# Altium PCB Audio-Beamformer_V1.0.PcbDoc (part 3 of 11)
Units mm, origin at the board's own origin, x right, y up, seen from the top; angles counter-clockwise.
Board outline 300 x 376 mm, 2 copper layers (Top Layer, Bottom Layer), stack 1.548 mm thick; 1137 components, 629 nets, 3569 pads, 2808 vias.
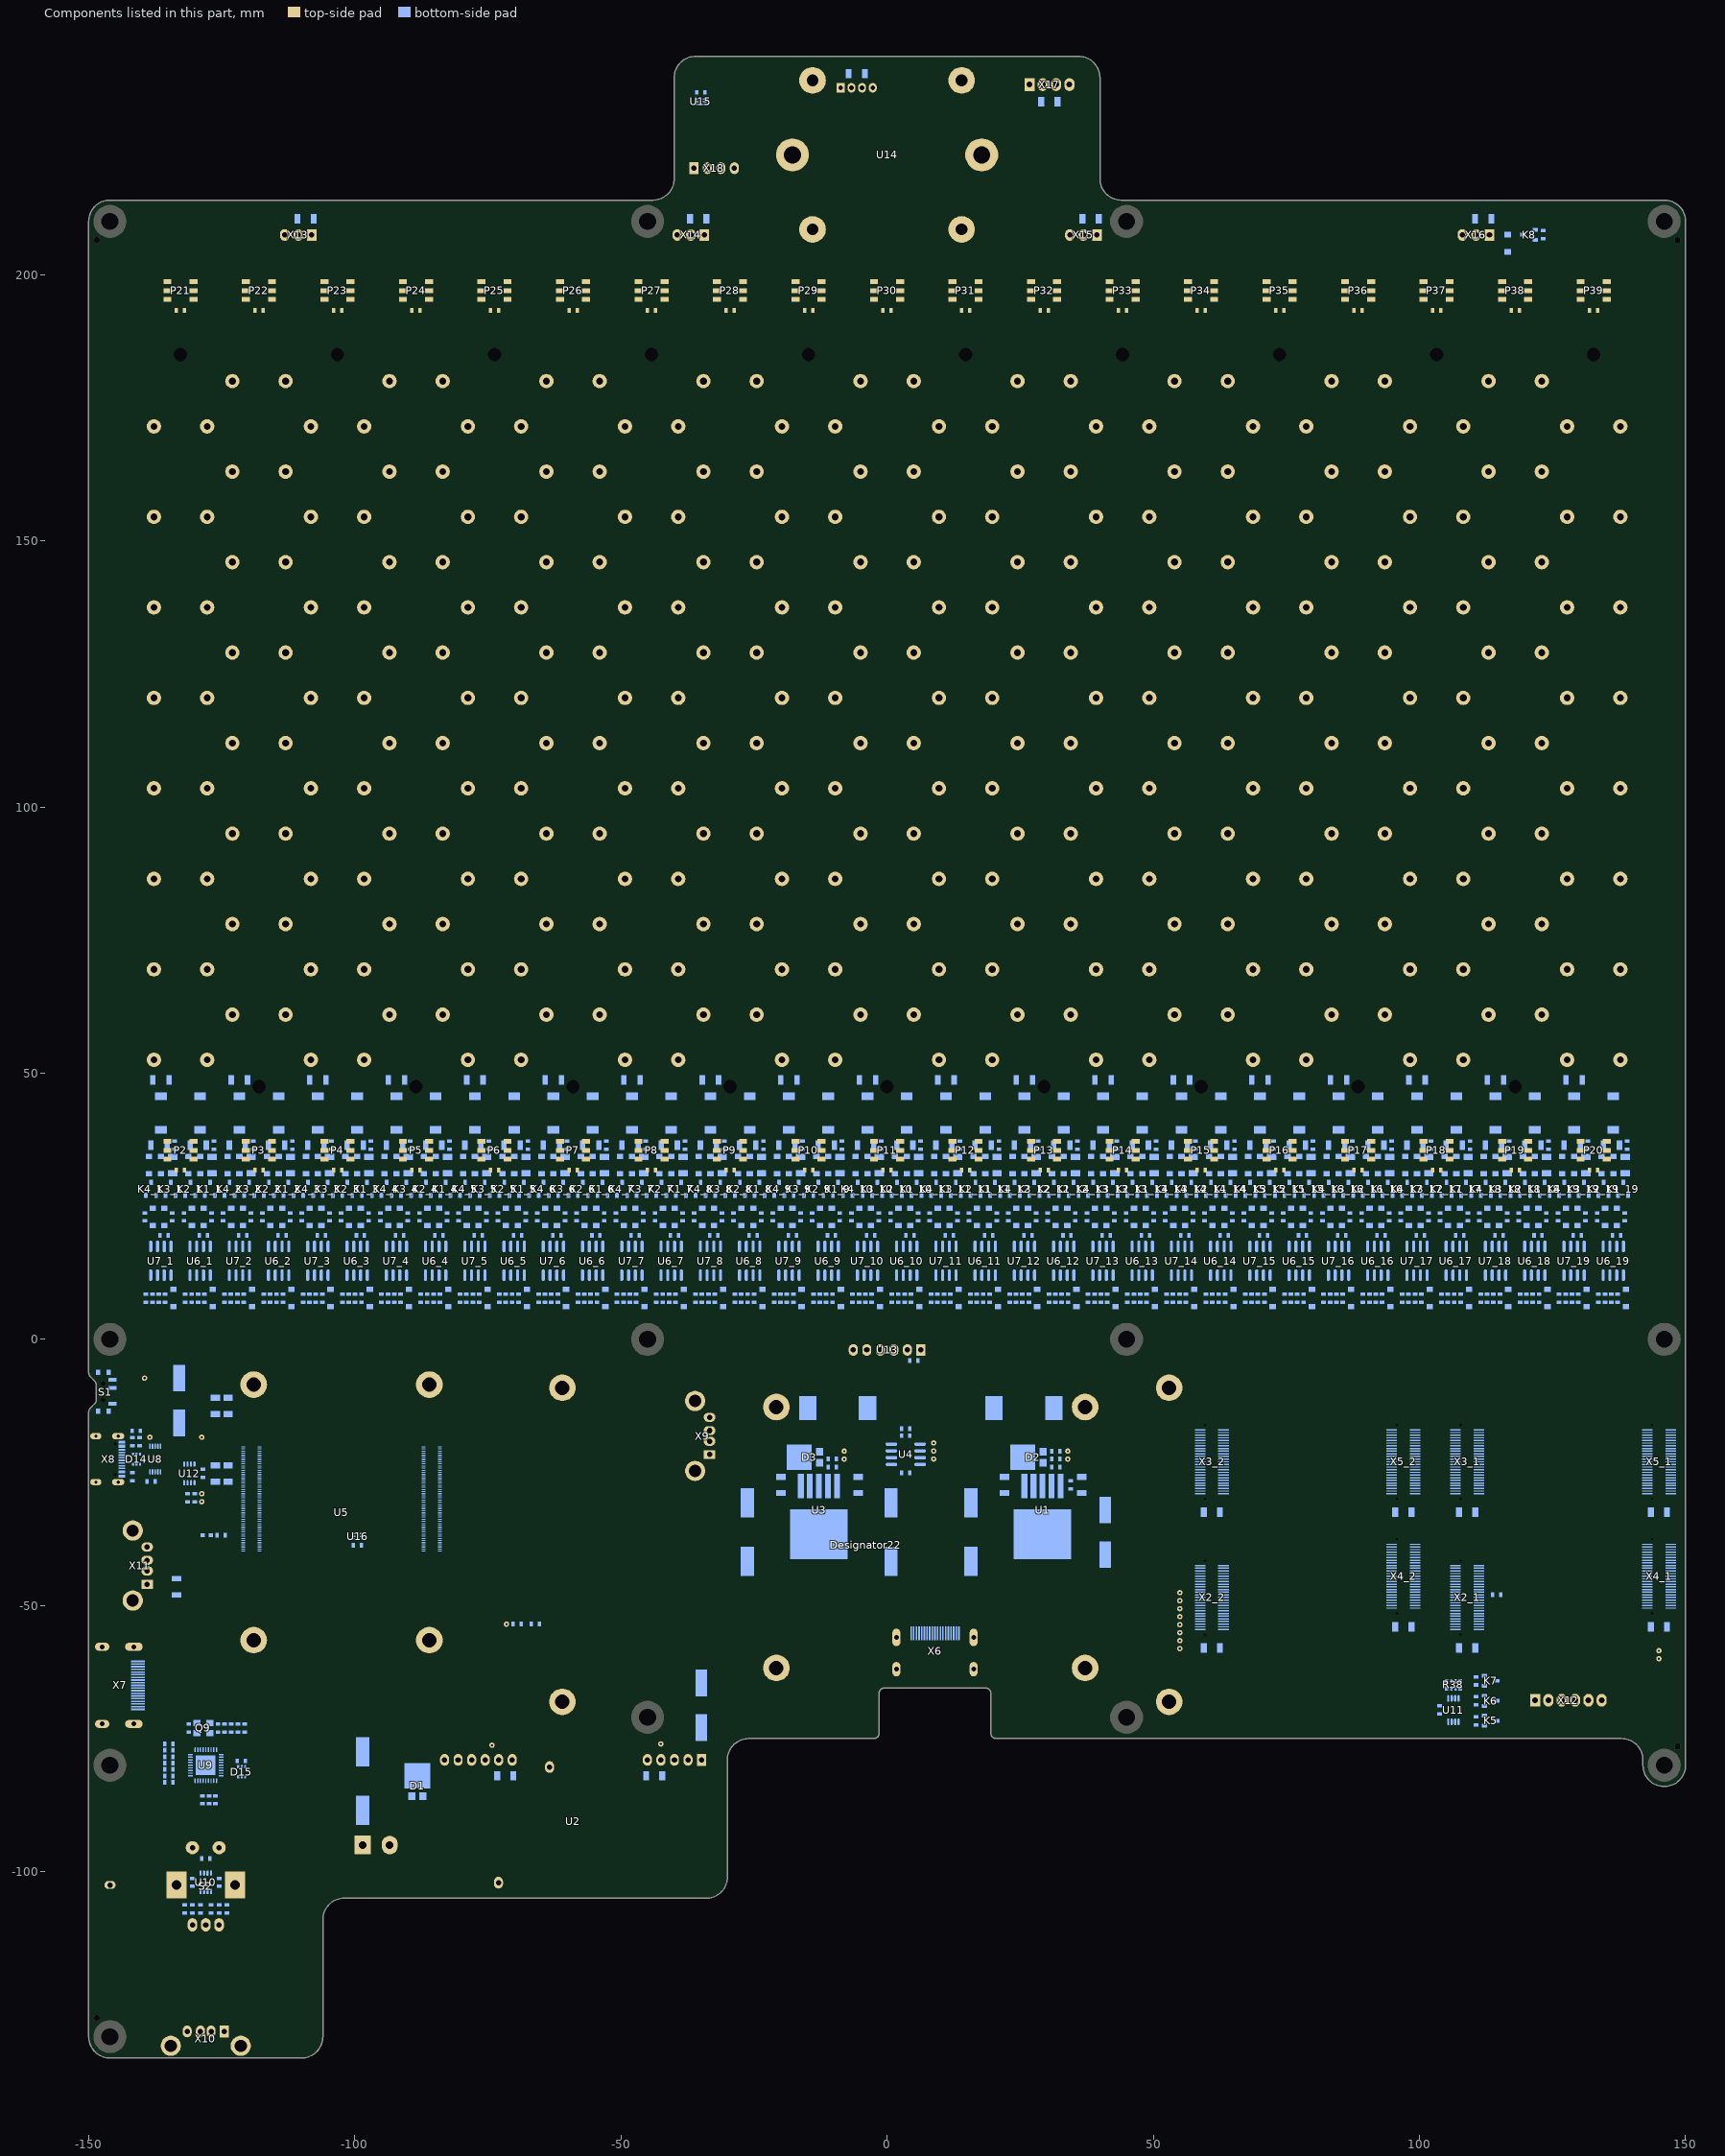
[diagram p3: the components of this part, seen from the top]

## Components (designator, comment, footprint, x,y, rotation, side; value= is the part's Value field where it differs from the comment) (continued)
R22_5 "10k" "SMD Widerstand 0603" -79.025,7.75 r90 bottom (schematic designator R22)
R22_6 "10k" "SMD Widerstand 0603" -64.275,7.75 r90 bottom (schematic designator R22)
R22_7 "10k" "SMD Widerstand 0603" -49.525,7.75 r90 bottom (schematic designator R22)
R22_8 "10k" "SMD Widerstand 0603" -34.775,7.75 r90 bottom (schematic designator R22)
R22_9 "10k" "SMD Widerstand 0603" -20.025,7.75 r90 bottom (schematic designator R22)
R22_10 "10k" "SMD Widerstand 0603" -5.275,7.75 r90 bottom (schematic designator R22)
R22_11 "10k" "SMD Widerstand 0603" 9.475,7.75 r90 bottom (schematic designator R22)
R22_12 "10k" "SMD Widerstand 0603" 24.225,7.75 r90 bottom (schematic designator R22)
R22_13 "10k" "SMD Widerstand 0603" 38.975,7.75 r90 bottom (schematic designator R22)
R22_14 "10k" "SMD Widerstand 0603" 53.725,7.75 r90 bottom (schematic designator R22)
R22_15 "10k" "SMD Widerstand 0603" 68.475,7.75 r90 bottom (schematic designator R22)
R22_16 "10k" "SMD Widerstand 0603" 83.225,7.75 r90 bottom (schematic designator R22)
R22_17 "10k" "SMD Widerstand 0603" 97.975,7.75 r90 bottom (schematic designator R22)
R22_18 "10k" "SMD Widerstand 0603" 112.725,7.75 r90 bottom (schematic designator R22)
R22_19 "10k" "SMD Widerstand 0603" 127.475,7.75 r90 bottom (schematic designator R22)
R23_1 "10" "SMD Widerstand 0603" -139.475,23 r270 bottom (schematic designator R23)
R23_2 "10" "SMD Widerstand 0603" -124.725,23 r270 bottom (schematic designator R23)
R23_3 "10" "SMD Widerstand 0603" -109.975,23 r270 bottom (schematic designator R23)
R23_4 "10" "SMD Widerstand 0603" -95.225,23 r270 bottom (schematic designator R23)
R23_5 "10" "SMD Widerstand 0603" -80.475,23 r270 bottom (schematic designator R23)
R23_6 "10" "SMD Widerstand 0603" -65.725,23 r270 bottom (schematic designator R23)
R23_7 "10" "SMD Widerstand 0603" -50.975,23 r270 bottom (schematic designator R23)
R23_8 "10" "SMD Widerstand 0603" -36.225,23 r270 bottom (schematic designator R23)
R23_9 "10" "SMD Widerstand 0603" -21.475,23 r270 bottom (schematic designator R23)
R23_10 "10" "SMD Widerstand 0603" -6.725,23 r270 bottom (schematic designator R23)
R23_11 "10" "SMD Widerstand 0603" 8.025,23 r270 bottom (schematic designator R23)
R23_12 "10" "SMD Widerstand 0603" 22.775,23 r270 bottom (schematic designator R23)
R23_13 "10" "SMD Widerstand 0603" 37.525,23 r270 bottom (schematic designator R23)
R23_14 "10" "SMD Widerstand 0603" 52.275,23 r270 bottom (schematic designator R23)
R23_15 "10" "SMD Widerstand 0603" 67.025,23 r270 bottom (schematic designator R23)
R23_16 "10" "SMD Widerstand 0603" 81.775,23 r270 bottom (schematic designator R23)
R23_17 "10" "SMD Widerstand 0603" 96.525,23 r270 bottom (schematic designator R23)
R23_18 "10" "SMD Widerstand 0603" 111.275,23 r270 bottom (schematic designator R23)
R23_19 "10" "SMD Widerstand 0603" 126.025,23 r270 bottom (schematic designator R23)
R24 "5.1k" "SMD Widerstand 0603" -140.4,-19.2 r270 bottom
R25 "5.1k" "SMD Widerstand 0603" -141.1,-17.2 r180 bottom
R26 "5.1k" "SMD Widerstand 0603" -141.8,-25.8 r270 bottom
R27 "5.1k" "SMD Widerstand 0603" -141.8,-19.2 r90 bottom
R28 "36k" "SMD Widerstand 0603" -134.9,-79.6 r0 bottom
R29 "36k" "SMD Widerstand 0603" -134.9,-77.2 r0 bottom
R30 "36k" "SMD Widerstand 0603" -134.9,-80.8 r0 bottom
R31 "36k" "SMD Widerstand 0603" -134.9,-83.2 r0 bottom
R32 "12k" "SMD Widerstand 0603" -121.95,-73 r270 bottom
R33 "10k" "SMD Widerstand 0603" -125.5,-102 r90 bottom
R34 "10k" "SMD Widerstand 0603" -132,-107 r90 bottom
R35 "10k" "SMD Widerstand 0603" -124,-107 r90 bottom
R36 "10k" "SMD Widerstand 0603" -130.5,-107 r270 bottom
R37 "10k" "SMD Widerstand 0603" -125.5,-107 r270 bottom
R38 "100" "SMD Widerstand Array 4-Fach 0603" 106.4,-64.9 r0 bottom
R39 "10k" "SMD Widerstand 0603" 110.65,-71.65 r270 bottom
R40 "10k" "SMD Widerstand 0603" 110.65,-67.9 r270 bottom
R41 "10k" "SMD Widerstand 0603" 110.65,-64.15 r270 bottom
R42 "10k" "SMD Widerstand 0603" 123.3,207.5 r90 bottom
R43 "10k" "SMD Widerstand 0603" -130.1,-29.8 r90 bottom
R44 "10k" "SMD Widerstand 0603" -131.4,-29.8 r90 bottom
S1 "PCM12SMTR" "SMD Switch SPDT (PCM12SMTR)" -147.25,-9.85 r270 bottom
S2 "PEC11R-4025F-S0024" "THT Rotary Encoder with Switch" -128,-102.5 r0 top
TP1 "X-TP" "THT Testpunkt Ø1mm" 145,-60 r90 bottom
TP2 "X-TP" "THT Testpunkt Ø1mm" 145,-58.5 r90 bottom
TP3 "X-TP" "THT Testpunkt Ø1mm" 33.95,-22.5 r90 bottom
TP4 "X-TP" "THT Testpunkt Ø1mm" -74.23,-76.26 r90 bottom
TP5 "X-TP" "THT Testpunkt Ø1mm" -42.5,-76 r90 bottom
TP6 "X-TP" "THT Testpunkt Ø1mm" 33.95,-21 r90 bottom
TP7 "Schwarz" "THT Messpunkt Ø2.54mm Schwarz" -146,-102.5 r90 bottom
TP8 "X-TP" "THT Testpunkt Ø1mm" -8.05,-22.5 r90 bottom
TP9 "X-TP" "THT Testpunkt Ø1mm" -8.05,-21 r90 bottom
TP10 "X-TP" "THT Testpunkt Ø1mm" -71.5,-53.5 r90 bottom
TP11 "X-TP" "THT Testpunkt Ø1mm" 55,-49.1 r90 bottom
TP12 "X-TP" "THT Testpunkt Ø1mm" -139.5,-7.3 r90 bottom
TP13 "X-TP" "THT Testpunkt Ø1mm" -128.75,-18.4 r90 bottom
TP14 "X-TP" "THT Testpunkt Ø1mm" 55,-47.6 r90 bottom
TP15 "X-TP" "THT Testpunkt Ø1mm" 55,-58.1 r180 bottom
TP16 "X-TP" "THT Testpunkt Ø1mm" 55,-53.6 r180 bottom
TP17 "X-TP" "THT Testpunkt Ø1mm" 55,-56.6 r180 bottom
TP18 "X-TP" "THT Testpunkt Ø1mm" 55,-52.1 r180 bottom
TP19 "X-TP" "THT Testpunkt Ø1mm" 55,-55.1 r180 bottom
TP20 "X-TP" "THT Testpunkt Ø1mm" 55,-50.6 r180 bottom
TP21 "X-TP" "THT Testpunkt Ø1mm" 8.75,-19.475 r0 bottom
TP22 "X-TP" "THT Testpunkt Ø1mm" -128.75,-30.5 r90 bottom
TP23 "X-TP" "THT Testpunkt Ø1mm" 8.75,-20.975 r0 bottom
TP24 "X-TP" "THT Testpunkt Ø1mm" -128.75,-29 r90 bottom
TP25 "X-TP" "THT Testpunkt Ø1mm" 8.75,-22.475 r90 bottom
TP26 "X-TP" "THT Testpunkt Ø1mm" -138.5,-18.4 r90 bottom
U1 "LM2596HV" "SMD IC TO-263-5" 29.2,-33.25 r90 bottom
U2 "NID65-5" "THT DC-DC-Converter (NID65-X)" -59,-79 r180 top
U3 "LM2596HV" "SMD IC TO-263-5" -12.8,-33.25 r90 bottom
U4 "MCP41010T" "SMD IC SOIC-8" 3.5,-21.6 r90 bottom
U5 "DF40C-100DS-0.4V" "SMD CM4-F40C-100DS-0.4V_1.5MM" -102.5,-32.5 r180 bottom locked
U6_1 "LM5109B" "SMD IC SOIC-8" -129.063,14.75 r0 bottom (schematic designator U6)
U6_2 "LM5109B" "SMD IC SOIC-8" -114.312,14.75 r0 bottom (schematic designator U6)
U6_3 "LM5109B" "SMD IC SOIC-8" -99.563,14.75 r0 bottom (schematic designator U6)
U6_4 "LM5109B" "SMD IC SOIC-8" -84.812,14.75 r0 bottom (schematic designator U6)
U6_5 "LM5109B" "SMD IC SOIC-8" -70.062,14.75 r0 bottom (schematic designator U6)
U6_6 "LM5109B" "SMD IC SOIC-8" -55.313,14.75 r0 bottom (schematic designator U6)
U6_7 "LM5109B" "SMD IC SOIC-8" -40.562,14.75 r0 bottom (schematic designator U6)
U6_8 "LM5109B" "SMD IC SOIC-8" -25.813,14.75 r0 bottom (schematic designator U6)
U6_9 "LM5109B" "SMD IC SOIC-8" -11.063,14.75 r0 bottom (schematic designator U6)
U6_10 "LM5109B" "SMD IC SOIC-8" 3.688,14.75 r0 bottom (schematic designator U6)
U6_11 "LM5109B" "SMD IC SOIC-8" 18.438,14.75 r0 bottom (schematic designator U6)
U6_12 "LM5109B" "SMD IC SOIC-8" 33.188,14.75 r0 bottom (schematic designator U6)
U6_13 "LM5109B" "SMD IC SOIC-8" 47.938,14.75 r0 bottom (schematic designator U6)
U6_14 "LM5109B" "SMD IC SOIC-8" 62.688,14.75 r0 bottom (schematic designator U6)
U6_15 "LM5109B" "SMD IC SOIC-8" 77.438,14.75 r0 bottom (schematic designator U6)
U6_16 "LM5109B" "SMD IC SOIC-8" 92.188,14.75 r0 bottom (schematic designator U6)
U6_17 "LM5109B" "SMD IC SOIC-8" 106.938,14.75 r0 bottom (schematic designator U6)
U6_18 "LM5109B" "SMD IC SOIC-8" 121.688,14.75 r0 bottom (schematic designator U6)
U6_19 "LM5109B" "SMD IC SOIC-8" 136.438,14.75 r0 bottom (schematic designator U6)
U7_1 "LM5109B" "SMD IC SOIC-8" -136.438,14.75 r0 bottom (schematic designator U7)
U7_2 "LM5109B" "SMD IC SOIC-8" -121.688,14.75 r0 bottom (schematic designator U7)
U7_3 "LM5109B" "SMD IC SOIC-8" -106.938,14.75 r0 bottom (schematic designator U7)
U7_4 "LM5109B" "SMD IC SOIC-8" -92.188,14.75 r0 bottom (schematic designator U7)
U7_5 "LM5109B" "SMD IC SOIC-8" -77.438,14.75 r0 bottom (schematic designator U7)
U7_6 "LM5109B" "SMD IC SOIC-8" -62.688,14.75 r0 bottom (schematic designator U7)
U7_7 "LM5109B" "SMD IC SOIC-8" -47.938,14.75 r0 bottom (schematic designator U7)
U7_8 "LM5109B" "SMD IC SOIC-8" -33.188,14.75 r0 bottom (schematic designator U7)
U7_9 "LM5109B" "SMD IC SOIC-8" -18.438,14.75 r0 bottom (schematic designator U7)
U7_10 "LM5109B" "SMD IC SOIC-8" -3.688,14.75 r0 bottom (schematic designator U7)
U7_11 "LM5109B" "SMD IC SOIC-8" 11.063,14.75 r0 bottom (schematic designator U7)
U7_12 "LM5109B" "SMD IC SOIC-8" 25.813,14.75 r0 bottom (schematic designator U7)
U7_13 "LM5109B" "SMD IC SOIC-8" 40.562,14.75 r0 bottom (schematic designator U7)
U7_14 "LM5109B" "SMD IC SOIC-8" 55.313,14.75 r0 bottom (schematic designator U7)
U7_15 "LM5109B" "SMD IC SOIC-8" 70.062,14.75 r0 bottom (schematic designator U7)
U7_16 "LM5109B" "SMD IC SOIC-8" 84.812,14.75 r0 bottom (schematic designator U7)
U7_17 "LM5109B" "SMD IC SOIC-8" 99.563,14.75 r0 bottom (schematic designator U7)
U7_18 "LM5109B" "SMD IC SOIC-8" 114.312,14.75 r0 bottom (schematic designator U7)
U7_19 "LM5109B" "SMD IC SOIC-8" 129.063,14.75 r0 bottom (schematic designator U7)
U8 "FSUSB30MUX" "SMD IC MSOP-10" -137.5,-22.5 r180 bottom
U9 "USB2514B" "SMD IC VFQFN-36" -128,-80 r90 bottom
U10 "SN74LVC3G17" "SMD IC SM-8" -128,-102 r90 bottom
U11 "PCA9633DP1" "SMD IC TSSOP-8" 106.4,-69.65 r180 bottom
U12 "SN74LVC3G17" "SMD IC SM-8" -131.1,-25.2 r90 bottom
U13 "VL53L5CX" "THT ToF-Sensor (VL53L5CX)" 0,-2 r0 top
U14 "USB500W02M" "THT CAMERA (USB500W02M)" 0,222.5 r0 top locked
U15 "TMP112" "SMD IC SOT-563" -35,232.5 r0 bottom
U16 "TMP112" "SMD IC SOT-563" -99.5,-37 r0 bottom
X1 "X-Klemme (2-Pol)" "THT SCHRAUBKLEMME STECKBAR 2-POL (1757242)" -96,-105 r0 top
X2_1 "1661" "SMD Connector (1661)" 109,-48.5 r0 bottom (schematic designator X2)
X2_2 "1661" "SMD Connector (1661)" 61,-48.5 r0 bottom (schematic designator X2)
X3_1 "1661" "SMD Connector (1661)" 109,-23 r0 bottom (schematic designator X3)
X3_2 "1661" "SMD Connector (1661)" 61,-23 r0 bottom (schematic designator X3)
X4_1 "1661" "SMD Connector (1661)" 145,-44.5 r0 bottom (schematic designator X4)
X4_2 "1661" "SMD Connector (1661)" 97,-44.5 r0 bottom (schematic designator X4)
X5_1 "1661" "SMD Connector (1661)" 145,-23 r0 bottom (schematic designator X5)
X5_2 "1661" "SMD Connector (1661)" 97,-23 r0 bottom (schematic designator X5)
X6 "HDMI" "SMD HDMI HORIZONTAL" 9,-56 r180 bottom
X7 "HDMI" "SMD HDMI HORIZONTAL" -141.5,-65 r90 bottom
X8 "USB 2.0 Typ-C" "SMD USB-C Socket (A40-00119)" -151.25,-22.5 r90 bottom
X9 "Type-A" "THT USB-A (292303-1)" -46.35,-18.15 r270 bottom
X10 "Type-A" "THT USB-A (292303-1)" -128,-143 r0 bottom
X11 "Type-A" "THT USB-A (292303-1)" -152,-42.5 r270 bottom
X12 "Board-To-Wire Connector (Receptacle)" "THT Connector 2.5mm 6-Pol (1778667)" 128,-75 r0 top
X13 "Stiftleiste (3-Fach)" "THT Connector 2.54mm 3-Pol (61900311021)" -110.625,200 r180 bottom
X14 "Stiftleiste (3-Fach)" "THT Connector 2.54mm 3-Pol (61900311021)" -36.875,200 r180 bottom
X15 "Stiftleiste (3-Fach)" "THT Connector 2.54mm 3-Pol (61900311021)" 36.875,200 r180 bottom
X16 "Stiftleiste (3-Fach)" "THT Connector 2.54mm 3-Pol (61900311021)" 110.625,200 r180 bottom
X17 "Board-To-Wire Connector (Receptacle)" "THT Connector 2.5mm 4-Pol (1778641)" 30.5,228.5 r0 top
X18 "NP" "THT Pin-Header 4x1 (NP)" -32.5,220 r0 bottom

## Footprints (in the part's own frame and the unit in brackets; to place one, negate y for a bottom-side part, rotate by r counter-clockwise, add the part's x,y. Pads: shape width x height; smd on the part's side, far side on the other; paste and mask are expansions set on the pad)
"MEC DISPLAY (19454)" [mm] "Capacitor, Electrolytic, Radial; Body 5 x 5 mm (Dia.xH typ); Pin Spacing 2 mm (typ)"
  round 5 hole 2.7: NC(-61,-28.1) NC(-61,30.9) NC(-20.8,-21.725) NC(-20.8,27.275) NC(37.2,-21.725) NC(37.2,27.275) NC(53,-28.1) NC(53,30.9)
  Keep-Out Layer board cut-out: -49.8,30.8 -49.417,30.724 -49.093,30.507 -48.876,30.183 -48.8,29.8 -48.8,29.8 -48.8,13.9 -48.876,13.517 -49.093,13.193 -49.417,12.976 -49.8,12.9 -49.8,12.9 -67.8,12.9 -68.183,12.976 -68.507,13.193 -68.724,13.517 -68.8,13.9 -68.8,13.9 -68.8,26.1 -68.724,26.483 -68.507,26.807 -68.183,27.024 -67.8,27.1 -67.8,27.1 -60.56,27.1 -59.188,27.373 -58.025,28.15 -58.025,28.15 -57.725,28.475 -57.525,28.75 -57.35,29.025 -57.225,29.275 -57.125,29.525 -57.05,29.725 -56.975,29.975 -56.9,30.225 -56.825,30.375 -56.725,30.5 -56.575,30.625 -56.5,30.675 -56.4,30.725 -56.275,30.775 -56.075,30.8 -49.825,30.8
  silkscreen extent -143.75,-34.9 143.75,34.9, body extent -143.75,-36.8 143.75,34.9, height 16.9
"MEC LED-Ring (COM-14967)" [mm] "Capacitor, Electrolytic, Radial; Body 5 x 5 mm (Dia.xH typ); Pin Spacing 2 mm (typ)"
  round 6.2 hole 3.2: NC(-17.78,0) NC(17.78,0)
  silkscreen extent -21.58,-14.32 21.58,14.32, body extent -21.63,-14.36 21.55,14.36, height 12.91
"SMD CM4-F40C-100DS-0.4V_1.5MM" [mm] "DF40C-100DS-0.4v by Amornthep Phunsin"
  rect 0.7x0.2 smd: 1(18.5,-7.3) 2(15.42,-7.3) 3(18.5,-6.9) 4(15.42,-6.9) 5(18.5,-6.5) 6(15.42,-6.5) 7(18.5,-6.1) 8(15.42,-6.1) 9(18.5,-5.7) 10(15.42,-5.7) 11(18.5,-5.3) 12(15.42,-5.3) 13(18.5,-4.9) 14(15.42,-4.9) 15(18.5,-4.5) 16(15.42,-4.5) 17(18.5,-4.1) 18(15.42,-4.1) 19(18.5,-3.7) 20(15.42,-3.7) 21(18.5,-3.3) 22(15.42,-3.3) 23(18.5,-2.9) 24(15.42,-2.9) 25(18.5,-2.5) 26(15.42,-2.5) 27(18.5,-2.1) 28(15.42,-2.1) 29(18.5,-1.7) 30(15.42,-1.7) 31(18.5,-1.3) 32(15.42,-1.3) 33(18.5,-0.9) 34(15.42,-0.9) 35(18.5,-0.5) 36(15.42,-0.5) 37(18.5,-0.1) 38(15.42,-0.1) 39(18.5,0.3) 40(15.42,0.3) 41(18.5,0.7) 42(15.42,0.7) 43(18.5,1.1) 44(15.42,1.1) 45(18.5,1.5) 46(15.42,1.5) 47(18.5,1.9) 48(15.42,1.9) 49(18.5,2.3) 50(15.42,2.3) 51(18.5,2.7) 52(15.42,2.7) 53(18.5,3.1) 54(15.42,3.1) 55(18.5,3.5) 56(15.42,3.5) 57(18.5,3.9) 58(15.42,3.9) 59(18.5,4.3) 60(15.42,4.3) 61(18.5,4.7) 62(15.42,4.7) 63(18.5,5.1) 64(15.42,5.1) 65(18.5,5.5) 66(15.42,5.5) 67(18.5,5.9) 68(15.42,5.9) 69(18.5,6.3) 70(15.42,6.3) 71(18.5,6.7) 72(15.42,6.7) 73(18.5,7.1) 74(15.42,7.1) 75(18.5,7.5) 76(15.42,7.5) 77(18.5,7.9) 78(15.42,7.9) 79(18.5,8.3) 80(15.42,8.3) 81(18.5,8.7) 82(15.42,8.7) 83(18.5,9.1) 84(15.42,9.1) 85(18.5,9.5) 86(15.42,9.5) 87(18.5,9.9) 88(15.42,9.9) 89(18.5,10.3) 90(15.42,10.3) 91(18.5,10.7) 92(15.42,10.7) 93(18.5,11.1) 94(15.42,11.1) 95(18.5,11.5) 96(15.42,11.5) 97(18.5,11.9) 98(15.42,11.9) 99(18.5,12.3) 100(15.42,12.3) 101(-15.42,-7.3) 102(-18.5,-7.3) 103(-15.42,-6.9) 104(-18.5,-6.9) 105(-15.42,-6.5) 106(-18.5,-6.5) 107(-15.42,-6.1) 108(-18.5,-6.1) 109(-15.42,-5.7) 110(-18.5,-5.7) 111(-15.42,-5.3) 112(-18.5,-5.3) 113(-15.42,-4.9) 114(-18.5,-4.9) 115(-15.42,-4.5) 116(-18.5,-4.5) 117(-15.42,-4.1) 118(-18.5,-4.1) 119(-15.42,-3.7) 120(-18.5,-3.7) 121(-15.42,-3.3) 122(-18.5,-3.3) 123(-15.42,-2.9) 124(-18.5,-2.9) 125(-15.42,-2.5) 126(-18.5,-2.5) 127(-15.42,-2.1) 128(-18.5,-2.1) 129(-15.42,-1.7) 130(-18.5,-1.7) 131(-15.42,-1.3) 132(-18.5,-1.3) 133(-15.42,-0.9) 134(-18.5,-0.9) 135(-15.42,-0.5) 136(-18.5,-0.5) 137(-15.42,-0.1) 138(-18.5,-0.1) 139(-15.42,0.3) 140(-18.5,0.3) 141(-15.42,0.7) 142(-18.5,0.7) 143(-15.42,1.1) 144(-18.5,1.1) 145(-15.42,1.5) 146(-18.5,1.5) 147(-15.42,1.9) 148(-18.5,1.9) 149(-15.42,2.3) 150(-18.5,2.3) 151(-15.42,2.7) 152(-18.5,2.7) 153(-15.42,3.1) 154(-18.5,3.1) 155(-15.42,3.5) 156(-18.5,3.5) 157(-15.42,3.9) 158(-18.5,3.9) 159(-15.42,4.3) 160(-18.5,4.3) 161(-15.42,4.7) 162(-18.5,4.7) 163(-15.42,5.1) 164(-18.5,5.1) 165(-15.42,5.5) 166(-18.5,5.5) 167(-15.42,5.9) 168(-18.5,5.9) 169(-15.42,6.3) 170(-18.5,6.3) 171(-15.42,6.7) 172(-18.5,6.7) 173(-15.42,7.1) 174(-18.5,7.1) 175(-15.42,7.5) 176(-18.5,7.5) 177(-15.42,7.9) 178(-18.5,7.9) 179(-15.42,8.3) 180(-18.5,8.3) 181(-15.42,8.7) 182(-18.5,8.7) 183(-15.42,9.1) 184(-18.5,9.1) 185(-15.42,9.5) 186(-18.5,9.5) 187(-15.42,9.9) 188(-18.5,9.9) 189(-15.42,10.3) 190(-18.5,10.3) 191(-15.42,10.7) 192(-18.5,10.7) 193(-15.42,11.1) 194(-18.5,11.1) 195(-15.42,11.5) 196(-18.5,11.5) 197(-15.42,11.9) 198(-18.5,11.9) 199(-15.42,12.3) 200(-18.5,12.3)
  round 5 hole 2.7: NC(-16.5,-24) NC(-16.5,24) NC(16.5,-24) NC(16.5,24)
  silkscreen extent -20,-27.5 20,27.5, body extent -20,-27.5 20,27.5, height 10.65